# KiCad board SweetBusiness.kicad_pcb (continued)
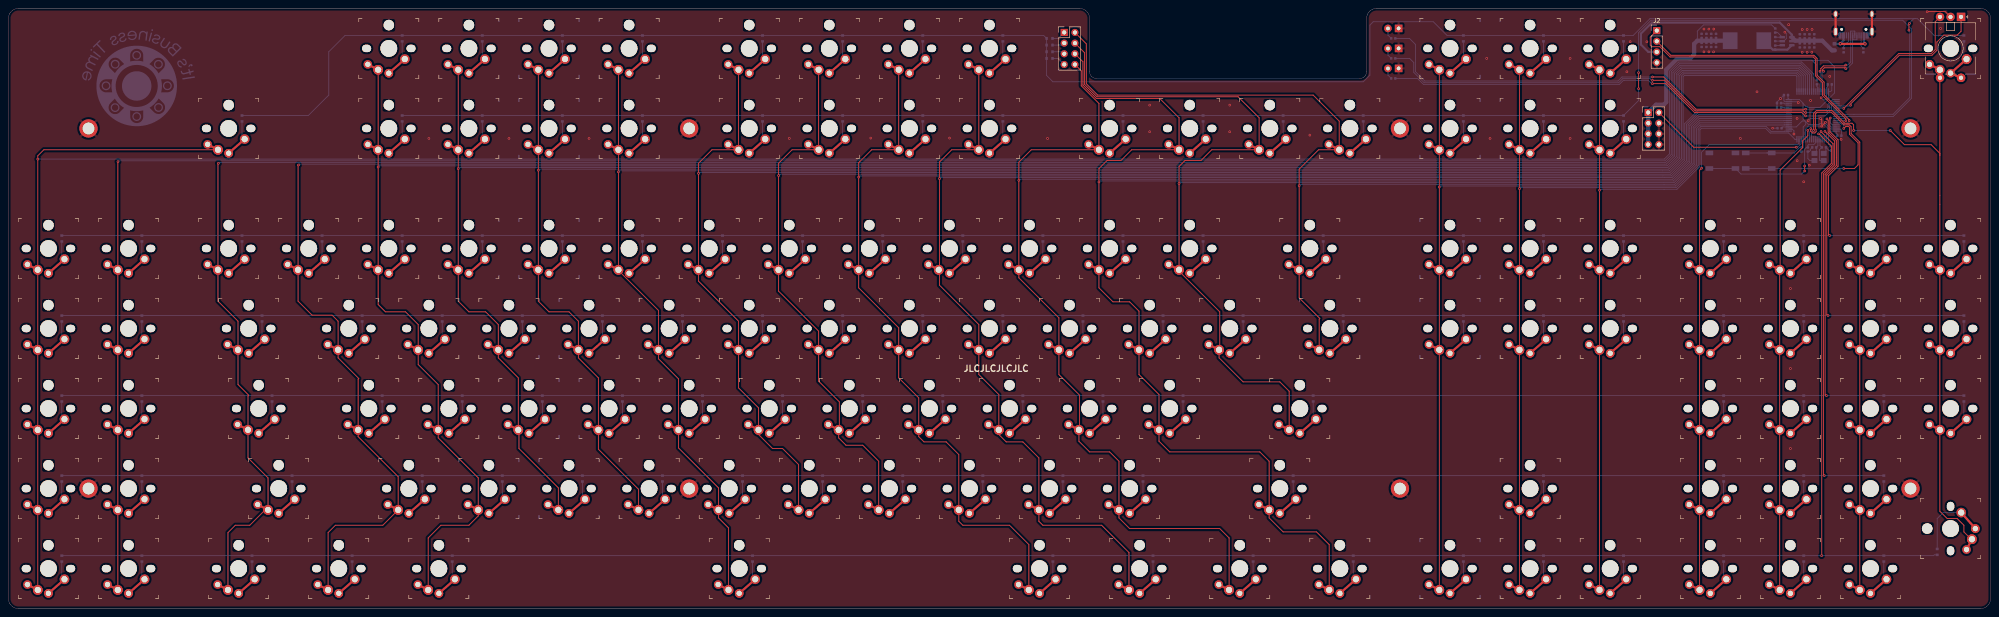
[diagram p0: board, top side]
## Nets
+3V3: C1.1 C2.1 C3.1 C4.1 C5.1 C6.1 CP10.1 CP11.1 CP12.1 CP13.1 CP14.1 CP15.1 CP16.1 CP17.1 J3.1 J3.3 J3.5 J3.7 LP1.2 RB2.1 RP1.1 S2.2 U0.1 U0.13 U0.19 U0.32 U0.48 U0.64
+5V: F0.1 J0.A4 J0.A9 J0.B4 J0.B9
GND: C1.2 C2.2 C3.2 C4.2 C5.2 C6.2 C9.2 CL1.1 CL2.2 CP2.1 CP3.1 CP4.1 CP5.1 CP6.1 CP7.1 CP8.1 CP9.1 CP10.2 CP11.2 CP12.2 CP13.2 CP14.2 CP15.2 CP16.2 CP17.2 CV1.2 H1.1 H2.1 H3.1 H4.1 H5.1 H6.1 H7.1 H8.1 J0.A1 J0.A12 J0.B1 J0.B12 J0.S1 J2.4 J3.4 J3.6 J3.8 KL1.1 KL2.1 KL3.1 R1.2 R2.2 R3.1 RB1.2 RP2.2 RX1.C S1.2 U0.12 U0.18 U0.31 U0.47 U0.63 U1.2 Y1.2 Y1.4
VBUS: CP2.2 CP3.2 CP4.2 CP5.2 CP6.2 CP7.2 CP8.2 CP9.2 F0.2 J2.3 U1.4 U1.5
BOOT0: R1.1 S2.1 U0.60
CAPS: RL1.2 U0.49
col0: K1.1 K28.1 K51.1 K74.1 K93.1 K111.1 U0.41
col1: K29.1 K52.1 K75.1 K94.1 K112.1 U0.40
col2: K30.1 K53.1 K76.1 K95.1 K113.1 U0.39
col3: K31.1 K54.1 K77.1 K96.1 K114.1 U0.38
col4: K2.1 K13.1 K32.1 K55.1 K78.1 K97.1 K115.1 U0.37
col5: K3.1 K14.1 K33.1 K56.1 K79.1 K98.1 U0.36
col6: K4.1 K15.1 K34.1 K57.1 K80.1 K99.1 U0.35
col7: K5.1 K16.1 K35.1 K58.1 K81.1 K100.1 K116.1 U0.34
col8: K6.1 K17.1 K36.1 K59.1 K82.1 K101.1 U0.33
col9: K7.1 K18.1 K37.1 K60.1 K83.1 K102.1 U0.27
col10: K8.1 K19.1 K38.1 K61.1 K84.1 K103.1 K117.1 U0.26
col11: K9.1 K20.1 K39.1 K62.1 K85.1 K104.1 K118.1 U0.25
col12: J1.8 K21.1 K40.1 K63.1 K86.1 K105.1 K119.1 U0.24
col13: J1.6 K22.1 K41.1 K64.1 K87.1 K106.1 K120.1 U0.23
col14: J1.4 K23.1 K42.1 K65.1 K88.1 U0.22
col15: J1.2 K24.1 K43.1 K66.1 U0.21
col16: K10.1 K25.1 K44.1 K67.1 K121.1 U0.20
col17: K11.1 K26.1 K45.1 K68.1 K107.1 K122.1 U0.17
col18: K12.1 K27.1 K46.1 K69.1 K123.1 U0.16
col19: K47.1 K70.1 K89.1 K108.1 K124.1 U0.15
col20: K48.1 K71.1 K90.1 K109.1 K125.1 U0.11
col21: K49.1 K72.1 K91.1 K110.1 K126.1 U0.10
col22: K50.1 K73.1 K92.1 K127.1 RX1.1 U0.9
D+: J0.A6 J0.B6 U0.45
D-: J0.A7 J0.B7 U0.44
enc0A: RX1.A U0.52
enc0B: RX1.B U0.53
LED: J3.2 U0.14
NRST: C9.1 S1.1 U0.7
NUM: RL3.2 U0.51
OSC+: CL1.2 U0.5 Y1.1
OSC-: CL2.1 U0.6 Y1.3
row0: D1.1 D2.1 D3.1 D4.1 D5.1 D6.1 D7.1 D8.1 D9.1 D10.1 D11.1 D12.1 DR1.1 DT1.1 DT2.1 DT3.1 DT4.1 U0.56
row1: D13.1 D14.1 D15.1 D16.1 D17.1 D18.1 D19.1 D20.1 D21.1 D22.1 D23.1 D24.1 D25.1 D26.1 D27.1 U0.57
row2: D28.1 D29.1 D30.1 D31.1 D32.1 D33.1 D34.1 D35.1 D36.1 D37.1 D38.1 D39.1 D40.1 D41.1 D42.1 D43.1 D44.1 D45.1 D46.1 D47.1 D48.1 D49.1 D50.1 U0.61
row3: D51.1 D52.1 D53.1 D54.1 D55.1 D56.1 D57.1 D58.1 D59.1 D60.1 D61.1 D62.1 D63.1 D64.1 D65.1 D66.1 D67.1 D68.1 D69.1 D70.1 D71.1 D72.1 D73.1 U0.62
row4: D74.1 D75.1 D76.1 D77.1 D78.1 D79.1 D80.1 D81.1 D82.1 D83.1 D84.1 D85.1 D86.1 D87.1 D88.1 D89.1 D90.1 D91.1 D92.1 U0.2
row5: D93.1 D94.1 D95.1 D96.1 D97.1 D98.1 D99.1 D100.1 D101.1 D102.1 D103.1 D104.1 D105.1 D106.1 D107.1 D108.1 D109.1 D110.1 U0.3
row6: D111.1 D112.1 D113.1 D114.1 D115.1 D116.1 D117.1 D118.1 D119.1 D120.1 D121.1 D122.1 D123.1 D124.1 D125.1 D126.1 D127.1 U0.4
SCL: J2.2 U0.58
SCRL: RL2.2 U0.50
SDA: J2.1 U0.59
Net-(CP1-Pad1): CP1.1 U1.1
Net-(CP1-Pad2): CP1.2 LP1.1 U1.6
Net-(CV1-Pad1): CV1.1 U0.30
Net-(D1-Pad2): D1.2 K1.2
Net-(D2-Pad2): D2.2 K2.2
Net-(D3-Pad2): D3.2 K3.2
Net-(D4-Pad2): D4.2 K4.2
Net-(D5-Pad2): D5.2 K5.2
Net-(D6-Pad2): D6.2 K6.2
Net-(D7-Pad2): D7.2 K7.2
Net-(D8-Pad2): D8.2 K8.2
Net-(D9-Pad2): D9.2 K9.2
Net-(D10-Pad2): D10.2 K10.2
Net-(D11-Pad2): D11.2 K11.2
Net-(D12-Pad2): D12.2 K12.2
Net-(D13-Pad2): D13.2 K13.2
Net-(D14-Pad2): D14.2 K14.2
Net-(D15-Pad2): D15.2 K15.2
Net-(D16-Pad2): D16.2 K16.2
Net-(D17-Pad2): D17.2 K17.2
Net-(D18-Pad2): D18.2 K18.2
Net-(D19-Pad2): D19.2 K19.2
Net-(D20-Pad2): D20.2 K20.2
Net-(D21-Pad2): D21.2 K21.2
Net-(D22-Pad2): D22.2 K22.2
Net-(D23-Pad2): D23.2 K23.2
Net-(D24-Pad2): D24.2 K24.2
Net-(D25-Pad2): D25.2 K25.2
Net-(D26-Pad2): D26.2 K26.2
Net-(D27-Pad2): D27.2 K27.2
Net-(D28-Pad2): D28.2 K28.2
Net-(D29-Pad2): D29.2 K29.2
Net-(D30-Pad2): D30.2 K30.2
Net-(D31-Pad2): D31.2 K31.2
Net-(D32-Pad2): D32.2 K32.2
Net-(D33-Pad2): D33.2 K33.2
Net-(D34-Pad2): D34.2 K34.2
Net-(D35-Pad2): D35.2 K35.2
Net-(D36-Pad2): D36.2 K36.2
Net-(D37-Pad2): D37.2 K37.2
Net-(D38-Pad2): D38.2 K38.2
Net-(D39-Pad2): D39.2 K39.2
Net-(D40-Pad2): D40.2 K40.2
Net-(D41-Pad2): D41.2 K41.2
Net-(D42-Pad2): D42.2 K42.2
Net-(D43-Pad2): D43.2 K43.2
Net-(D44-Pad2): D44.2 K44.2
Net-(D45-Pad2): D45.2 K45.2
Net-(D46-Pad2): D46.2 K46.2
Net-(D47-Pad2): D47.2 K47.2
Net-(D48-Pad2): D48.2 K48.2
Net-(D49-Pad2): D49.2 K49.2
Net-(D50-Pad2): D50.2 K50.2
Net-(D51-Pad2): D51.2 K51.2
Net-(D52-Pad2): D52.2 K52.2
Net-(D53-Pad2): D53.2 K53.2
Net-(D54-Pad2): D54.2 K54.2
Net-(D55-Pad2): D55.2 K55.2
Net-(D56-Pad2): D56.2 K56.2
Net-(D57-Pad2): D57.2 K57.2
Net-(D58-Pad2): D58.2 K58.2
Net-(D59-Pad2): D59.2 K59.2
Net-(D60-Pad2): D60.2 K60.2
Net-(D61-Pad2): D61.2 K61.2
Net-(D62-Pad2): D62.2 K62.2
Net-(D63-Pad2): D63.2 K63.2
Net-(D64-Pad2): D64.2 K64.2
Net-(D65-Pad2): D65.2 K65.2
Net-(D66-Pad2): D66.2 K66.2
Net-(D67-Pad2): D67.2 K67.2
Net-(D68-Pad2): D68.2 K68.2
Net-(D69-Pad2): D69.2 K69.2
Net-(D70-Pad2): D70.2 K70.2
Net-(D71-Pad2): D71.2 K71.2
Net-(D72-Pad2): D72.2 K72.2
Net-(D73-Pad2): D73.2 K73.2
Net-(D74-Pad2): D74.2 K74.2
Net-(D75-Pad2): D75.2 K75.2
Net-(D76-Pad2): D76.2 K76.2
Net-(D77-Pad2): D77.2 K77.2
Net-(D78-Pad2): D78.2 K78.2
Net-(D79-Pad2): D79.2 K79.2
Net-(D80-Pad2): D80.2 K80.2
Net-(D81-Pad2): D81.2 K81.2
Net-(D82-Pad2): D82.2 K82.2
Net-(D83-Pad2): D83.2 K83.2
Net-(D84-Pad2): D84.2 K84.2
Net-(D85-Pad2): D85.2 K85.2
Net-(D86-Pad2): D86.2 K86.2
Net-(D87-Pad2): D87.2 K87.2
Net-(D88-Pad2): D88.2 K88.2
Net-(D89-Pad2): D89.2 K89.2
Net-(D90-Pad2): D90.2 K90.2
Net-(D91-Pad2): D91.2 K91.2
Net-(D92-Pad2): D92.2 K92.2
Net-(D93-Pad2): D93.2 K93.2
Net-(D94-Pad2): D94.2 K94.2
Net-(D95-Pad2): D95.2 K95.2
Net-(D96-Pad2): D96.2 K96.2
Net-(D97-Pad2): D97.2 K97.2
Net-(D98-Pad2): D98.2 K98.2
Net-(D99-Pad2): D99.2 K99.2
Net-(D100-Pad2): D100.2 K100.2
Net-(D101-Pad2): D101.2 K101.2
Net-(D102-Pad2): D102.2 K102.2
Net-(D103-Pad2): D103.2 K103.2
Net-(D104-Pad2): D104.2 K104.2
Net-(D105-Pad2): D105.2 K105.2
Net-(D106-Pad2): D106.2 K106.2
Net-(D107-Pad2): D107.2 K107.2
Net-(D108-Pad2): D108.2 K108.2
Net-(D109-Pad2): D109.2 K109.2
Net-(D110-Pad2): D110.2 K110.2
Net-(D111-Pad2): D111.2 K111.2
Net-(D112-Pad2): D112.2 K112.2
Net-(D113-Pad2): D113.2 K113.2
Net-(D114-Pad2): D114.2 K114.2
Net-(D115-Pad2): D115.2 K115.2
Net-(D116-Pad2): D116.2 K116.2
Net-(D117-Pad2): D117.2 K117.2
Net-(D118-Pad2): D118.2 K118.2
Net-(D119-Pad2): D119.2 K119.2
Net-(D120-Pad2): D120.2 K120.2
Net-(D121-Pad2): D121.2 K121.2
Net-(D122-Pad2): D122.2 K122.2
Net-(D123-Pad2): D123.2 K123.2
Net-(D124-Pad2): D124.2 K124.2
Net-(D125-Pad2): D125.2 K125.2
Net-(D126-Pad2): D126.2 K126.2
Net-(D127-Pad2): D127.2 K127.2
Net-(DR1-Pad2): DR1.2 RX1.2
Net-(DT1-Pad2): DT1.2 J1.1
Net-(DT2-Pad2): DT2.2 J1.3
Net-(DT3-Pad2): DT3.2 J1.5
Net-(DT4-Pad2): DT4.2 J1.7
Net-(J0-PadA5): J0.A5 R2.1
Net-(J0-PadB5): J0.B5 R3.2
Net-(KL1-Pad2): KL1.2 RL1.1
Net-(KL2-Pad2): KL2.2 RL2.1
Net-(KL3-Pad2): KL3.2 RL3.1
Net-(RB1-Pad1): RB1.1 U0.28
Net-(RB2-Pad2): RB2.2 U0.43
Net-(RP1-Pad2): RP1.2 RP2.1 U1.3

Pads without a net: J0 A8 B8; U0 8 29 42 46 54 55

## Via types
v1: diameter 0.6, hole 0.3, Top to Bottom, 114 vias
v2: diameter 0.8, hole 0.4, Top to Bottom, 2 vias

## Routing (per net, layer and track width the routed paths; a pad name or vN(x,y) marks a point on that pad's centre or on a via; arc(x,y) is an arc through that point)
+3V3: length 173.7
  Bottom w0.2: C6.1 433.48,110.3 433.23,110.55 432.97,110.55 432.91,110.61 U0.1 432.91,113.15 433.42,113.66 ; 432.85,121.22 432.91,121.29 U0.48 433.44,123.09 433.71,123.36 C3.1 ; 432.85,121.22 430.91,119.28 428.06,119.28 427.83,119.51 427.58,119.51 426.88,120.21 ; 432.85,121.22 434.35,122.72 434.35,128.99 432.83,130.51 428.89,130.51 ; 418.31,108.47 424.77,108.47 424.78,108.46 426.08,109.77 C1.1 426.8,109.77 426.91,109.88 U0.13 426.91,114.65 427.51,115.25 427.51,115.89 ; 418.31,108.47 S2.2 ; 418.31,108.47 419.44,108.47 ; 426.88,120.21 426.88,116.52 427.32,116.08 ; 426.88,120.21 426.88,120.33 426.05,121.16 U0.32 423.49,121.31 423.3,121.5 C5.1 ; 427.32,116.08 427.51,115.89 ; 427.32,116.08 426.69,116.08 425.27,114.66 U0.19 422.07,114.66 C4.1 ; RP1.1 419.42,138.95 403.21,138.95 401.73,137.47 401.73,135.19 ; 428.89,130.51 400.39,130.51 399.99,130.91 ; 428.89,130.51 429.02,130.51 430.18,129.35 RB2.1 ; 433.42,113.66 431.61,115.47 430.91,115.47 430.69,115.25 428.15,115.25 427.51,115.89 ; 433.42,113.66 U0.64 434.75,113.57 434.75,113.22 435.03,112.94 C2.1
  Bottom w1: J3.7 J3.1 391.9,119.95 393.73,119.95 394.33,120.55 394.33,128.28 396.96,130.91 399.99,130.91 400.97,131.89 400.97,134.43 401.73,135.19 LP1.2
+5V: length 11.7
  Top w0.5: v2(441.61,134.43) 435.75,134.43 v2(435.73,134.46)
  Bottom w0.5: 436.49,136.45 436.49,135.22 v2(435.73,134.46) F0.1 ; v2(441.61,134.43) 441.39,134.65 J0.A9
GND: length 66.1
  Top w0.2: v1(456.41,142.08) 456.47,142.15 460.66,142.15 RX1.C ; v1(432.21,115.76) v1(431.32,114.87) 431.32,116.36 v1(431.01,116.68)
  Top w0.5: J0.S1 J0.S1 ; J0.S1 J0.S1
  Bottom w0.2: RB1.2 420.68,120.59 C5.2 422.33,120.87 422.54,120.66 U0.31 425.53,120.66 v1(425.74,120.46) ; C6.2 433.06,109.05 CL1.1 432.32,108.88 Y1.4 ; U0.12 427.41,114.14 428.13,114.85 431.31,114.85 v1(431.32,114.87) ; v1(431.2,121.6) 431.7,121.09 432.09,121.09 432.41,121.42 U0.47 432.41,123.96 432.74,124.29 C3.2 ; U0.18 424.29,114.16 424.72,113.74 v1(424.72,112.97) ; C4.2 v1(419.64,114.36) ; CL2.2 428.59,109.32 428.59,109.03 428.36,108.8 C9.2 428.02,107.12 428.49,106.66 Y1.2 ; RP2.2 421.91,135.09 U1.2 422.28,135.06 422.89,135.68 422.89,136.87 v1(422.55,137.21) ; v1(428.1,116.15) 428.62,116.68 v1(431.01,116.68) ; C2.2 436,113.88 435.72,114.16 U0.63 433.49,114.16 432.21,115.44 v1(432.21,115.76)
  Bottom w0.5: J0.S1 442.35,136.45 J0.A12 ; J0.S1 435.54,136.45 J0.A1
  vias: v1(100.01,111.92) v1(119.06,111.92) v1(138.11,111.92) v1(185.74,111.92) v1(205.12,112.01) v1(223.86,112.01) v1(247.19,111.92) v1(271.46,119.86) v1(271.46,113.51) v1(290.51,119.86) v1(290.51,113.51) v1(309.56,112.71) v1(351.63,130.97) v1(352.43,111.92) v1(371.48,130.97) v1(371.48,111.92) v1(384.97,127.79) v1(385.76,134.94) v1(389.73,134.94) v1(403.31,137.96) v1(403.31,132.52) v1(404.48,137.96) v1(404.48,132.52) v1(405.59,132.52) v1(405.64,137.96) v1(411.96,111.92) v1(415.93,123.03) v1(421.49,121.4) v1(423.45,139) v1(423.86,76.2) v1(423.86,57.15) v1(423.86,38.1) v1(425.45,116.68) v1(425.48,106.62) v1(426.68,137.86) v1(426.68,132.42) v1(427.04,101.6) v1(427.84,137.86) v1(427.84,132.42) v1(428.35,105.55) v1(428.66,120.97) v1(429.01,137.86) v1(428.96,132.42) v1(433.23,126.68) v1(435.92,111.7) v1(459.58,138.11)
VBUS: length 57.4
  Bottom w0.2: 434.35,132.86 F0.2
  Bottom w0.5: U1.4 424.21,136.62 421.33,139.5 390.94,139.5 388.31,136.87 388.31,134.27 390.07,132.51 J2.3
  Bottom w1: U1.4 425.03,135.19 431.45,135.19 433.76,132.88 F0.2
BOOT0: length 41.4
  Top w0.2: v1(436.56,104.78) 439.11,104.78 439.97,105.64 439.97,110.86 437.91,112.93 437.91,114.58 437.75,114.74 437.01,114.74 v1(436.56,114.3)
  Bottom w0.2: S2.1 434.33,104.77 434.34,104.78 v1(436.56,104.78) ; U0.60 435.64,115.66 435.93,115.38 R1.1 436.56,115.37 v1(436.56,114.3)
CAPS: length 118
  Top w0.2: v1(391.06,126.56) 393.73,126.56 401.41,118.88 v1(427.51,118.88)
  Bottom w0.2: v1(391.06,126.56) 383.83,126.56 382.86,125.59 336.92,125.59 334.68,127.83 334.68,134.3 333.25,135.73 RL1.2 ; U0.49 433.91,121.16 432.81,120.07 432.81,119.15 432.54,118.88 v1(427.51,118.88)
col0: length 595.7
  Top w0.2: K1.1 8.41,109.22 6.98,107.79 v1(6.98,107) K28.1 K111.1
  Bottom w0.2: v1(6.98,107) 393.86,107 395.13,108.27 395.13,127.95 397.29,130.11 426.54,130.11 429.42,127.23 429.42,123.09 U0.41
col1: length 531.1
  Top w0.2: v1(26.07,106.4) 26.03,106.37 K29.1 K112.1
  Bottom w0.2: U0.40 428.91,127.17 426.38,129.71 426.1,129.71 397.45,129.71 395.53,127.79 395.53,108.1 394.02,106.6 26.27,106.6 v1(26.07,106.4)
col2: length 517.6
  Top w0.2: v1(49.94,106) 49.85,105.9 K30.1 49.85,73.18 54.61,68.42 K53.1 54.61,53.34 57.15,50.8 56.99,50.64 K76.1 56.99,35.88 61.75,31.12 K95.1 61.06,23.5 57.41,19.84 53.97,19.84 52.23,18.1 K113.1
  Bottom w0.2: v1(49.94,106) 50.14,106.2 394.19,106.2 395.93,107.94 395.93,127.61 397.63,129.31 426.21,129.31 428.41,127.11 U0.39
col3: length 512.3
  Top w0.2: v1(68.99,105.6) 68.9,105.5 K31.1 68.9,73.18 72.23,69.85 76.99,69.85 78.42,68.42 K54.1 78.42,59.69 83.34,54.77 83.19,54.61 K77.1 83.19,40.93 92.71,31.4 K96.1 89.06,19.84 77.79,19.84 76.04,18.1 K114.1
  Bottom w0.2: U0.38 427.91,127.04 426.05,128.91 397.8,128.91 396.33,127.44 396.33,107.77 394.36,105.8 393.86,105.8 69.19,105.8 68.99,105.6 v1(68.99,105.6)
col4: length 510.5
  Top w0.2: K2.1 K13.1 v1(87.95,105.12) K32.1 87.95,72.39 89.69,70.64 94.46,70.64 97.47,67.63 K55.1 97.47,58.1 102.24,53.34 K78.1 102.24,40.64 111.76,31.12 K97.1 111.76,22.07 109.54,19.84 102.87,19.84 99.85,16.83 99.85,4.44
  Bottom w0.2: U0.37 427.41,126.95 425.85,128.51 425.41,128.51 397.96,128.51 396.73,127.28 396.73,107.58 394.55,105.4 88.22,105.4 v1(87.95,105.12)
col5: length 462.4
  Top w0.2: K3.1 K14.1 v1(107,104.74) K33.1 107,73.18 109.54,70.64 113.51,70.64 116.52,67.63 K56.1 116.52,59.69 121.28,54.93 K79.1 121.44,42.39 121.44,38.1 130.81,28.73 K98.1
  Bottom w0.2: v1(107,104.74) 107.25,105 394.71,105 397.13,107.41 397.13,127.11 398.13,128.11 425.69,128.11 426.91,126.89 U0.36
col6: length 443.1
  Top w0.2: K4.1 K15.1 v1(126.05,104.36) K34.1 126.05,73.18 128.59,70.64 133.35,70.64 135.57,68.42 K57.1 135.57,59.69 140.34,54.93 K80.1 140.34,37.94 149.86,28.42 K99.1
  Bottom w0.2: U0.35 426.41,126.82 425.52,127.71 398.32,127.71 397.54,126.94 397.54,107.26 394.88,104.6 126.29,104.6 v1(126.05,104.36)
col7: length 440.6
  Top w0.2: K5.1 K16.1 v1(145.1,103.98) K35.1 145.1,80.5 154.62,70.98 K58.1 154.62,59.47 159.38,54.71 K81.1 159.38,38.26 168.91,28.73 K100.1 168.91,21.59 171.29,19.21 K116.1
  Bottom w0.2: U0.34 425.91,126.76 425.36,127.31 398.49,127.31 397.94,126.77 397.94,107.1 395.04,104.2 393.48,104.2 145.32,104.2 v1(145.1,103.98)
col8: length 409.8
  Top w0.2: K101.1 187.96,34.29 184.15,38.1 181.77,38.1 178.44,41.43 K82.1 178.44,47.78 173.67,52.55 K59.1 173.67,68.42 164.15,77.95 K36.1 v1(164.15,103.6) 164.15,106.01 167.35,109.22 K17.1 K6.1
  Bottom w0.2: U0.33 425.41,126.69 425.19,126.92 398.65,126.92 398.34,126.61 398.34,106.93 395.21,103.8 164.35,103.8 v1(164.15,103.6)
col9: length 376.6
  Top w0.2: K7.1 K18.1 186.4,109.22 183.2,106.01 v1(183.2,103.09) K37.1 183.2,75.56 192.72,66.04 K60.1 192.72,54.13 197.64,49.21 197.64,42.7 K83.1 197.49,40.64 199.23,38.89 203.2,38.89 207.01,35.08 K102.1
  Bottom w0.2: U0.27 422.44,118.66 422.42,118.68 401.96,118.68 398.74,115.47 398.74,106.77 395.37,103.4 183.51,103.4 v1(183.2,103.09)
col10: length 390.7
  Top w0.2: K8.1 K19.1 205.33,109.22 202.25,106.14 v1(202.25,102.71) K38.1 202.25,76.36 211.77,66.83 K61.1 211.77,54.93 216.54,50.17 K84.1 216.54,40.93 217.78,39.69 223.04,39.69 226.06,36.67 K103.1 226.06,20.8 227.01,19.84 238.12,19.84 242.73,15.24 K117.1
  Bottom w0.2: U0.26 422.43,118.16 422.42,118.17 402.01,118.17 399.14,115.3 399.14,106.6 395.54,103 393.54,103 202.54,103 v1(202.25,102.71)
col11: length 375.8
  Top w0.2: K118.1 266.54,13.34 260.03,19.84 246.06,19.84 245.11,20.8 K104.1 245.11,35.88 241.3,39.69 237.33,39.69 235.58,41.43 K85.1 235.58,50.96 230.82,55.72 K62.1 230.82,67.63 221.46,76.99 221.46,82.3 ; 221.46,82.3 221.46,80.8 K39.1 ; 221.46,82.3 v1(221.46,102.36) 221.46,106.3 224.38,109.22 K20.1 K9.1
  Bottom w0.2: v1(221.46,102.36) 221.7,102.6 393.86,102.6 395.71,102.6 399.54,106.44 399.54,115.14 402.07,117.67 422.42,117.67 422.42,117.66 U0.25
col12: length 375.5
  Top w0.2: K119.1 290.35,16.83 288.13,19.05 266.7,19.05 264.16,21.59 K105.1 264.16,35.08 261.94,37.31 257.18,37.31 254.63,39.85 K86.1 254.79,42.7 254.79,50.8 249.87,55.72 K63.1 249.87,69.22 240.35,78.74 K40.1 v1(240.35,101.95) 240.35,106.27 243.3,109.22 K21.1 259.4,120.24 255.19,124.45 255.19,128.02 J1.8
  Bottom w0.2: v1(240.35,101.95) 240.6,102.2 395.87,102.2 399.94,106.27 399.94,114.35 399.94,114.97 402.13,117.16 422.42,117.16 422.42,117.16 U0.24
col13: length 380.8
  Top w0.2: K120.1 314.17,15.24 311.15,18.26 303.21,18.26 299.88,21.59 K106.1 299.88,35.08 297.66,37.31 276.23,37.31 273.69,39.85 K87.1 273.69,50.96 268.92,55.72 K64.1 268.92,70.8 266.7,73.03 262.73,73.03 259.4,76.36 K41.1 v1(259.4,101.57) 259.4,104.74 261.33,106.68 264.64,106.68 267.18,109.22 K22.1 278.45,116.84 273.84,121.44 258.76,121.44 255.59,124.62 255.59,130.18 254.81,130.95 254.79,130.95 J1.6
  Bottom w0.2: v1(259.4,101.57) 259.63,101.8 396.04,101.8 400.34,106.11 400.34,114.8 402.18,116.65 422.42,116.65 422.43,116.66 U0.23
col14: length 319
  Top w0.2: K88.1 304.64,51.75 302.42,53.98 293.69,53.98 287.97,59.69 K65.1 288.13,61.75 288.13,70.64 278.45,80.33 K42.1 v1(278.45,101.19) 278.45,105.25 279.88,106.68 283.69,106.68 286.23,109.22 K23.1 297.5,116.84 292.49,121.84 258.93,121.84 255.99,124.78 255.99,132.3 J1.4
  Bottom w0.2: U0.22 422.33,116.16 422.31,116.14 402.24,116.14 400.74,114.64 400.74,105.94 396.2,101.4 393.74,101.4 278.66,101.4 v1(278.45,101.19)
col15: length 268.3
  Top w0.2: J1.2 256.39,134.44 256.39,124.95 259.09,122.24 310.35,122.24 316.55,116.05 K24.1 311.63,109.22 307.02,104.62 v1(307.02,100.68) K43.1 307.02,73.98 311.94,69.06 311.79,68.9 K66.1
  Bottom w0.2: v1(307.02,100.68) 307.35,101 393.86,101 396.37,101 401.14,105.78 401.14,114.47 402.3,115.63 422.42,115.63 422.44,115.66 U0.21
col16: length 218.2
  Top w0.2: K121.1 v1(340.36,100.36) K10.1
  Bottom w0.2: v1(340.36,100.36) 340.6,100.61 396.53,100.61 401.54,105.61 401.54,114.29 402.37,115.13 422.42,115.13 422.45,115.16 U0.20
col17: length 199.6
  Top w0.2: K122.1 v1(359.41,99.98) K11.1
  Bottom w0.2: U0.17 422.48,113.66 422.42,113.6 419.26,113.6 418.13,114.73 402.55,114.73 401.94,114.11 401.94,105.44 396.7,100.21 359.63,100.21 v1(359.41,99.98)
col18: length 183.1
  Top w0.2: K123.1 v1(378.46,99.6) K12.1
  Bottom w0.2: U0.16 425.37,111.7 424.97,111.7 424.97,111.71 423.47,113.2 419.09,113.2 417.97,114.33 402.72,114.33 402.34,113.94 402.34,105.28 396.86,99.81 393.86,99.81 378.67,99.81 v1(378.46,99.6)
col19: length 129.4
  Top w0.2: K124.1 K47.1 402.27,104.36 v1(402.75,104.84)
  Bottom w0.2: U0.15 425.91,110.73 425.61,110.43 404.53,110.43 402.74,108.64 402.74,104.85 v1(402.75,104.84)
col20: length 114.3
  Top w0.2: v1(428.01,113.86) 428.01,112.58 426.75,111.32 426.75,109.71 421.42,104.37 421.42,80.74 K48.1 K125.1
  Bottom w0.2: v1(428.01,113.86) 427.91,113.76 U0.11
col21: length 130.3
  Top w0.2: K126.1 K49.1 440.37,111.03 438.31,113.09 438.31,114.74 437.91,115.14 436.62,115.14 433.61,118.15 430.22,118.15 429.82,117.75 429.82,114.24 429.98,114.07 429.98,113.53 429.68,113.22 429.13,113.22 428.71,113.65 v1(428.71,114.25)
  Bottom w0.2: v1(428.71,114.25) 428.71,113.7 428.41,113.41 U0.10
col22: length 158.5
  Top w0.2: 459.42,107.92 459.42,108.36 457.36,110.43 451.01,110.43 v1(447.61,113.82) ; 459.42,107.92 RX1.1 ; 459.42,107.92 K92.1 459.42,23.18 461.17,21.43 463.55,21.43 465.14,19.84 465.14,18.26 466.88,16.51 K127.1 ; v1(438.91,113.82) 438.91,115.16 438.53,115.54 436.79,115.54 433.78,118.55 430.05,118.55 429.42,117.92 429.42,113.86 v1(429.38,113.82)
  Bottom w0.2: U0.9 428.91,113.34 429.38,113.81 v1(429.38,113.82) ; v1(447.61,113.82) v1(438.91,113.82)
D+: length 23
  Top w0.2: v1(431.75,127.91) 431.55,128.11 431.55,128.37 431.92,128.74 436.84,128.74 v1(437.04,128.54)
  Bottom w0.2: v1(431.75,127.91) 431.39,127.54 431.39,123.11 U0.45 ; v1(437.04,128.54) 437.31,128.54 438.67,129.9 438.67,135.34 438.69,135.36 J0.A6 438.69,135.47 438.74,135.42 439.64,135.42 439.69,135.47 J0.B6
D-: length 22.7
  Top w0.2: v1(430.9,127.91) 431.1,128.11 431.1,128.56 431.74,129.19 436.84,129.19 v1(437.04,129.39)
  Bottom w0.2: U0.44 430.94,123.11 430.94,127.87 v1(430.9,127.91) ; J0.A7 439.19,137.42 439.14,137.47 438.24,137.47 438.19,137.42 J0.B7 438.19,135.36 438.22,135.34 438.22,130.11 437.51,129.39 v1(437.04,129.39)
enc0A: length 41.7
  Top w0.2: RX1.A 464.46,137.44 463.55,136.53 460.38,136.53 458.71,134.86 458.71,132.89 457.55,131.73 449.79,131.73 438.18,120.11 v1(438.18,119.83)
  Bottom w0.2: U0.52 434.84,119.66 438.01,119.66 v1(438.18,119.83)
enc0B: length 37.6
  Top w0.2: v1(436.56,119.06) 449.63,132.13 457.39,132.13 458.31,133.05 458.31,139.7 RX1.B
  Bottom w0.2: U0.53 436.46,119.16 v1(436.56,119.06)
LED: length 38.7
  Top w0.2: v1(425.29,109.83) 400.86,109.83 J3.2
  Bottom w0.2: v1(425.29,109.83) 425.57,109.83 426.41,110.67 U0.14
NRST: length 33.1
  Top w0.2: v1(427.26,105.37) v1(427.26,104.17)
  Bottom w0.2: S1.1 S1.1 412.13,103.44 426.53,103.44 v1(427.26,104.17) ; v1(427.26,105.37) 427.26,109.39 427.64,109.77 C9.1 428.02,110.3 428.15,110.43 429.41,110.43 429.91,110.93 U0.7
NUM: length 111.2
  Top w0.2: v1(427.48,117.28) 427.39,117.28 426.59,118.08 401.06,118.08 ; 401.06,118.1 394.2,124.96 v1(391.04,124.96)
  Bottom w0.2: v1(391.04,124.96) 390.85,124.96 390.05,125.76 384.16,125.76 383.19,124.79 336.58,124.79 335.17,126.21 RL3.2 ; U0.51 434.04,120.16 433.61,119.74 433.61,118.79 432.11,117.28 v1(427.48,117.28)
OSC+: length 6.4
  Bottom w0.2: U0.5 430.91,110.22 CL1.2 431.33,109.79 430.79,109.26 430.79,106.77 430.9,106.66 Y1.1
OSC-: length 3.7
  Bottom w0.2: Y1.3 430.03,108.8 CL2.1 430.41,110.18 U0.6
row0: length 489.7
  Top w0.2: v1(452.19,139.3) 452.06,139.16 v1(452.06,137.69)
  Bottom w0.2: v1(452.06,137.69) 452.26,137.49 452.26,121.64 448.28,117.66 U0.56 ; 453.63,140.44 453.21,140.44 452.19,139.43 v1(452.19,139.3) ; 453.63,140.44 454.07,140.44 458.09,136.43 DR1.1 ; 453.63,140.44 390.48,140.44 386.46,136.43 D12.1 342.2,136.43 338.93,139.7 324.64,139.7 323.85,138.91 323.85,127 322.26,125.41 248.44,125.41 246.95,126.91 DT1.1 246.25,136.43 D9.1 D2.1 80.07,136.43 76.2,132.56 76.2,122.24 71.34,117.38 D1.1
row1: length 414.8
  Top w0.2: v1(387.76,127.57) v1(387.76,123.76)
  Bottom w0.2: v1(387.76,123.76) 387.76,120.97 D27.1 D13.1 ; U0.57 448.35,117.16 452.66,121.48 452.66,137.99 450.6,140.04 390.71,140.04 387.76,137.1 v1(387.76,127.57)
row2: length 485.2
  Top w0.2: v1(433.36,116.78) 433.25,116.67 433.25,113.57 435.21,111.61 435.21,105.32 432.92,103.03 432.92,89.08 v1(433.2,88.81)
  Bottom w0.2: D28.1 v1(433.2,88.81) D50.1 ; U0.61 433.83,115.16 433.35,115.64 433.35,116.77 v1(433.36,116.78)
row3: length 504.8
  Top w0.2: v1(432.82,69.76) 432.52,70.05 432.52,103.2 434.81,105.49 434.81,111.44 432.85,113.4 432.85,116.27 v1(432.56,116.56)
  Bottom w0.2: D73.1 v1(432.82,69.76) D51.1 ; U0.62 433.55,114.66 432.95,115.27 432.95,116.17 v1(432.56,116.56)
row4: length 519.4
  Top w0.2: v1(432.09,113.6) 434.41,111.28 434.41,105.65 432.12,103.36 432.12,51.02 v1(432.44,50.71)
  Bottom w0.2: v1(432.09,113.6) 432.41,113.27 U0.2 ; D74.1 v1(432.44,50.71) D92.1
row5: length 519.7
  Top w0.2: v1(431.93,31.66) 431.72,31.86 431.72,103.53 434.01,105.82 434.01,110.66 431.16,113.51 v1(431.16,113.57)
  Bottom w0.2: U0.3 431.91,112.81 v1(431.16,113.57) ; D93.1 v1(431.93,31.66) D110.1
row6: length 550.7
  Top w0.2: v1(431.29,12.61) 431.32,12.64 431.32,103.7 433.61,105.98 433.61,110.05 430.65,113.01 v1(430.57,113.01)
  Bottom w0.2: D127.1 458.09,12.79 457.9,12.61 v1(431.29,12.61) D111.1 ; U0.4 431.41,112.54 430.95,113.01 v1(430.57,113.01)
SCL: length 61.1
  Top w0.2: J2.2 395.42,131.71 429.47,131.71 430.21,130.97 430.21,127 431.89,125.33 431.89,122.32 437.85,116.36 v1(437.85,116.17)
  Bottom w0.2: U0.58 436.71,116.66 436.79,116.74 437.39,116.74 437.85,116.28 v1(437.85,116.17)
SCRL: length 114.1
  Top w0.2: v1(427.53,118.08) 427.28,118.08 426.88,118.48 401.73,118.48 401.24,118.48 393.97,125.76 v1(391.04,125.76)
  Bottom w0.2: v1(427.53,118.08) 432.34,118.08 433.21,118.95 433.21,119.9 433.97,120.66 U0.50 ; v1(391.04,125.76) 390.83,125.76 390.43,126.16 383.99,126.16 383.02,125.19 336.75,125.19 334.28,127.66 334.28,129.98 333.29,130.97 RL2.2
SDA: length 64.6
  Top w0.2: J2.1 390.52,136.04 390.52,134.14 390.91,133.76 392.81,133.76 395.25,131.32 429.3,131.32 429.81,130.8 429.81,126.83 431.49,125.16 431.49,122.16 437.04,116.61 v1(437.04,116.14)
  Bottom w0.2: U0.59 437.02,116.16 v1(437.04,116.14)
Net-(CP1-Pad1): length 1.7
  Bottom w0.2: U1.1 421.84,134.03 CP1.1
Net-(CP1-Pad2): length 8
  Bottom w0.5: U1.6 423.15,133.06 419.68,133.06 LP1.1
Net-(CV1-Pad1): length 1.9
  Bottom w0.2: U0.30 422.48,120.16 422.31,120.33 CV1.1
Net-(D1-Pad2): length 4.5
  Bottom w0.2: K1.2 55.56,112.4 D1.2
Net-(D2-Pad2): length 4.5
  Bottom w0.2: K2.2 93.66,131.45 D2.2
Net-(D3-Pad2): length 4.5
  Bottom w0.2: K3.2 112.71,131.45 D3.2
Net-(D4-Pad2): length 4.5
  Bottom w0.2: K4.2 131.76,131.45 D4.2
Net-(D5-Pad2): length 4.5
  Bottom w0.2: D5.2 150.81,131.45 K5.2
Net-(D6-Pad2): length 4.5
  Bottom w0.2: K6.2 179.39,131.45 D6.2
Net-(D7-Pad2): length 4.5
  Bottom w0.2: D7.2 198.44,131.45 K7.2
Net-(D8-Pad2): length 4.5
  Bottom w0.2: D8.2 217.49,131.45 K8.2
Net-(D9-Pad2): length 4.5
  Bottom w0.2: D9.2 236.54,131.45 K9.2
Net-(D10-Pad2): length 4.5
  Bottom w0.2: K10.2 346.07,131.45 D10.2
Net-(D11-Pad2): length 4.5
  Bottom w0.2: D11.2 365.12,131.45 K11.2
Net-(D12-Pad2): length 4.5
  Bottom w0.2: D12.2 384.18,131.45 K12.2
Net-(D13-Pad2): length 4.5
  Bottom w0.2: D13.2 93.66,112.4 K13.2
Net-(D14-Pad2): length 4.5
  Bottom w0.2: D14.2 112.71,112.4 K14.2
Net-(D15-Pad2): length 4.5
  Bottom w0.2: K15.2 131.76,112.4 D15.2
Net-(D16-Pad2): length 4.5
  Bottom w0.2: K16.2 150.81,112.4 D16.2
Net-(D17-Pad2): length 4.5
  Bottom w0.2: K17.2 179.39,112.4 D17.2
Net-(D18-Pad2): length 4.5
  Bottom w0.2: D18.2 198.44,112.4 K18.2
Net-(D19-Pad2): length 4.5
  Bottom w0.2: K19.2 217.49,112.4 D19.2
Net-(D20-Pad2): length 4.5
  Bottom w0.2: D20.2 236.54,112.4 K20.2
Net-(D21-Pad2): length 4.5
  Bottom w0.2: K21.2 265.11,112.4 D21.2
Net-(D22-Pad2): length 4.5
  Bottom w0.2: K22.2 284.16,112.4 D22.2
Net-(D23-Pad2): length 4.5
  Bottom w0.2: K23.2 303.21,112.4 D23.2
Net-(D24-Pad2): length 4.5
  Bottom w0.2: K24.2 322.26,112.4 D24.2
Net-(D25-Pad2): length 4.5
  Bottom w0.2: D25.2 346.07,112.4 K25.2
Net-(D26-Pad2): length 4.5
  Bottom w0.2: K26.2 365.12,112.4 D26.2
Net-(D27-Pad2): length 4.5
  Bottom w0.2: D27.2 384.18,112.4 K27.2
Net-(D28-Pad2): length 4.5
  Bottom w0.2: K28.2 12.7,83.82 D28.2
Net-(D29-Pad2): length 4.5
  Bottom w0.2: D29.2 31.75,83.82 K29.2
Net-(D30-Pad2): length 4.5
  Bottom w0.2: D30.2 55.56,83.82 K30.2
Net-(D31-Pad2): length 4.5
  Bottom w0.2: D31.2 74.61,83.82 K31.2
Net-(D32-Pad2): length 4.5
  Bottom w0.2: D32.2 93.66,83.82 K32.2
Net-(D33-Pad2): length 4.5
  Bottom w0.2: D33.2 112.71,83.82 K33.2
Net-(D34-Pad2): length 4.5
  Bottom w0.2: K34.2 131.76,83.82 D34.2
Net-(D35-Pad2): length 4.5
  Bottom w0.2: K35.2 150.81,83.82 D35.2
Net-(D36-Pad2): length 4.5
  Bottom w0.2: K36.2 169.86,83.82 D36.2
Net-(D37-Pad2): length 4.5
  Bottom w0.2: K37.2 188.91,83.82 D37.2
Net-(D38-Pad2): length 4.5
  Bottom w0.2: D38.2 207.96,83.82 K38.2
Net-(D39-Pad2): length 4.5
  Bottom w0.2: K39.2 227.01,83.82 D39.2
Net-(D40-Pad2): length 4.5
  Bottom w0.2: K40.2 246.06,83.82 D40.2
Net-(D41-Pad2): length 4.5
  Bottom w0.2: D41.2 265.11,83.82 K41.2
Net-(D42-Pad2): length 4.5
  Bottom w0.2: K42.2 284.16,83.82 D42.2
Net-(D43-Pad2): length 4.5
  Bottom w0.2: D43.2 312.74,83.82 K43.2
Net-(D44-Pad2): length 4.5
  Bottom w0.2: D44.2 346.07,83.82 K44.2
Net-(D45-Pad2): length 4.5
  Bottom w0.2: D45.2 365.12,83.82 K45.2
Net-(D46-Pad2): length 4.5
  Bottom w0.2: D46.2 384.18,83.82 K46.2
Net-(D47-Pad2): length 4.5
  Bottom w0.2: K47.2 407.99,83.82 D47.2
Net-(D48-Pad2): length 4.5
  Bottom w0.2: D48.2 427.04,83.82 K48.2
Net-(D49-Pad2): length 4.5
  Bottom w0.2: K49.2 446.09,83.82 D49.2
Net-(D50-Pad2): length 4.5
  Bottom w0.2: K50.2 465.14,83.82 D50.2
Net-(D51-Pad2): length 4.5
  Bottom w0.2: K51.2 12.7,64.77 D51.2
Net-(D52-Pad2): length 4.5
  Bottom w0.2: D52.2 31.75,64.77 K52.2
Net-(D53-Pad2): length 4.5
  Bottom w0.2: K53.2 60.33,64.77 D53.2
Net-(D54-Pad2): length 4.5
  Bottom w0.2: K54.2 84.14,64.77 D54.2
Net-(D55-Pad2): length 4.5
  Bottom w0.2: D55.2 103.19,64.77 K55.2
Net-(D56-Pad2): length 4.5
  Bottom w0.2: K56.2 122.24,64.77 D56.2
